# KiCad board fmc_memory_adapter.kicad_pcb (continued)
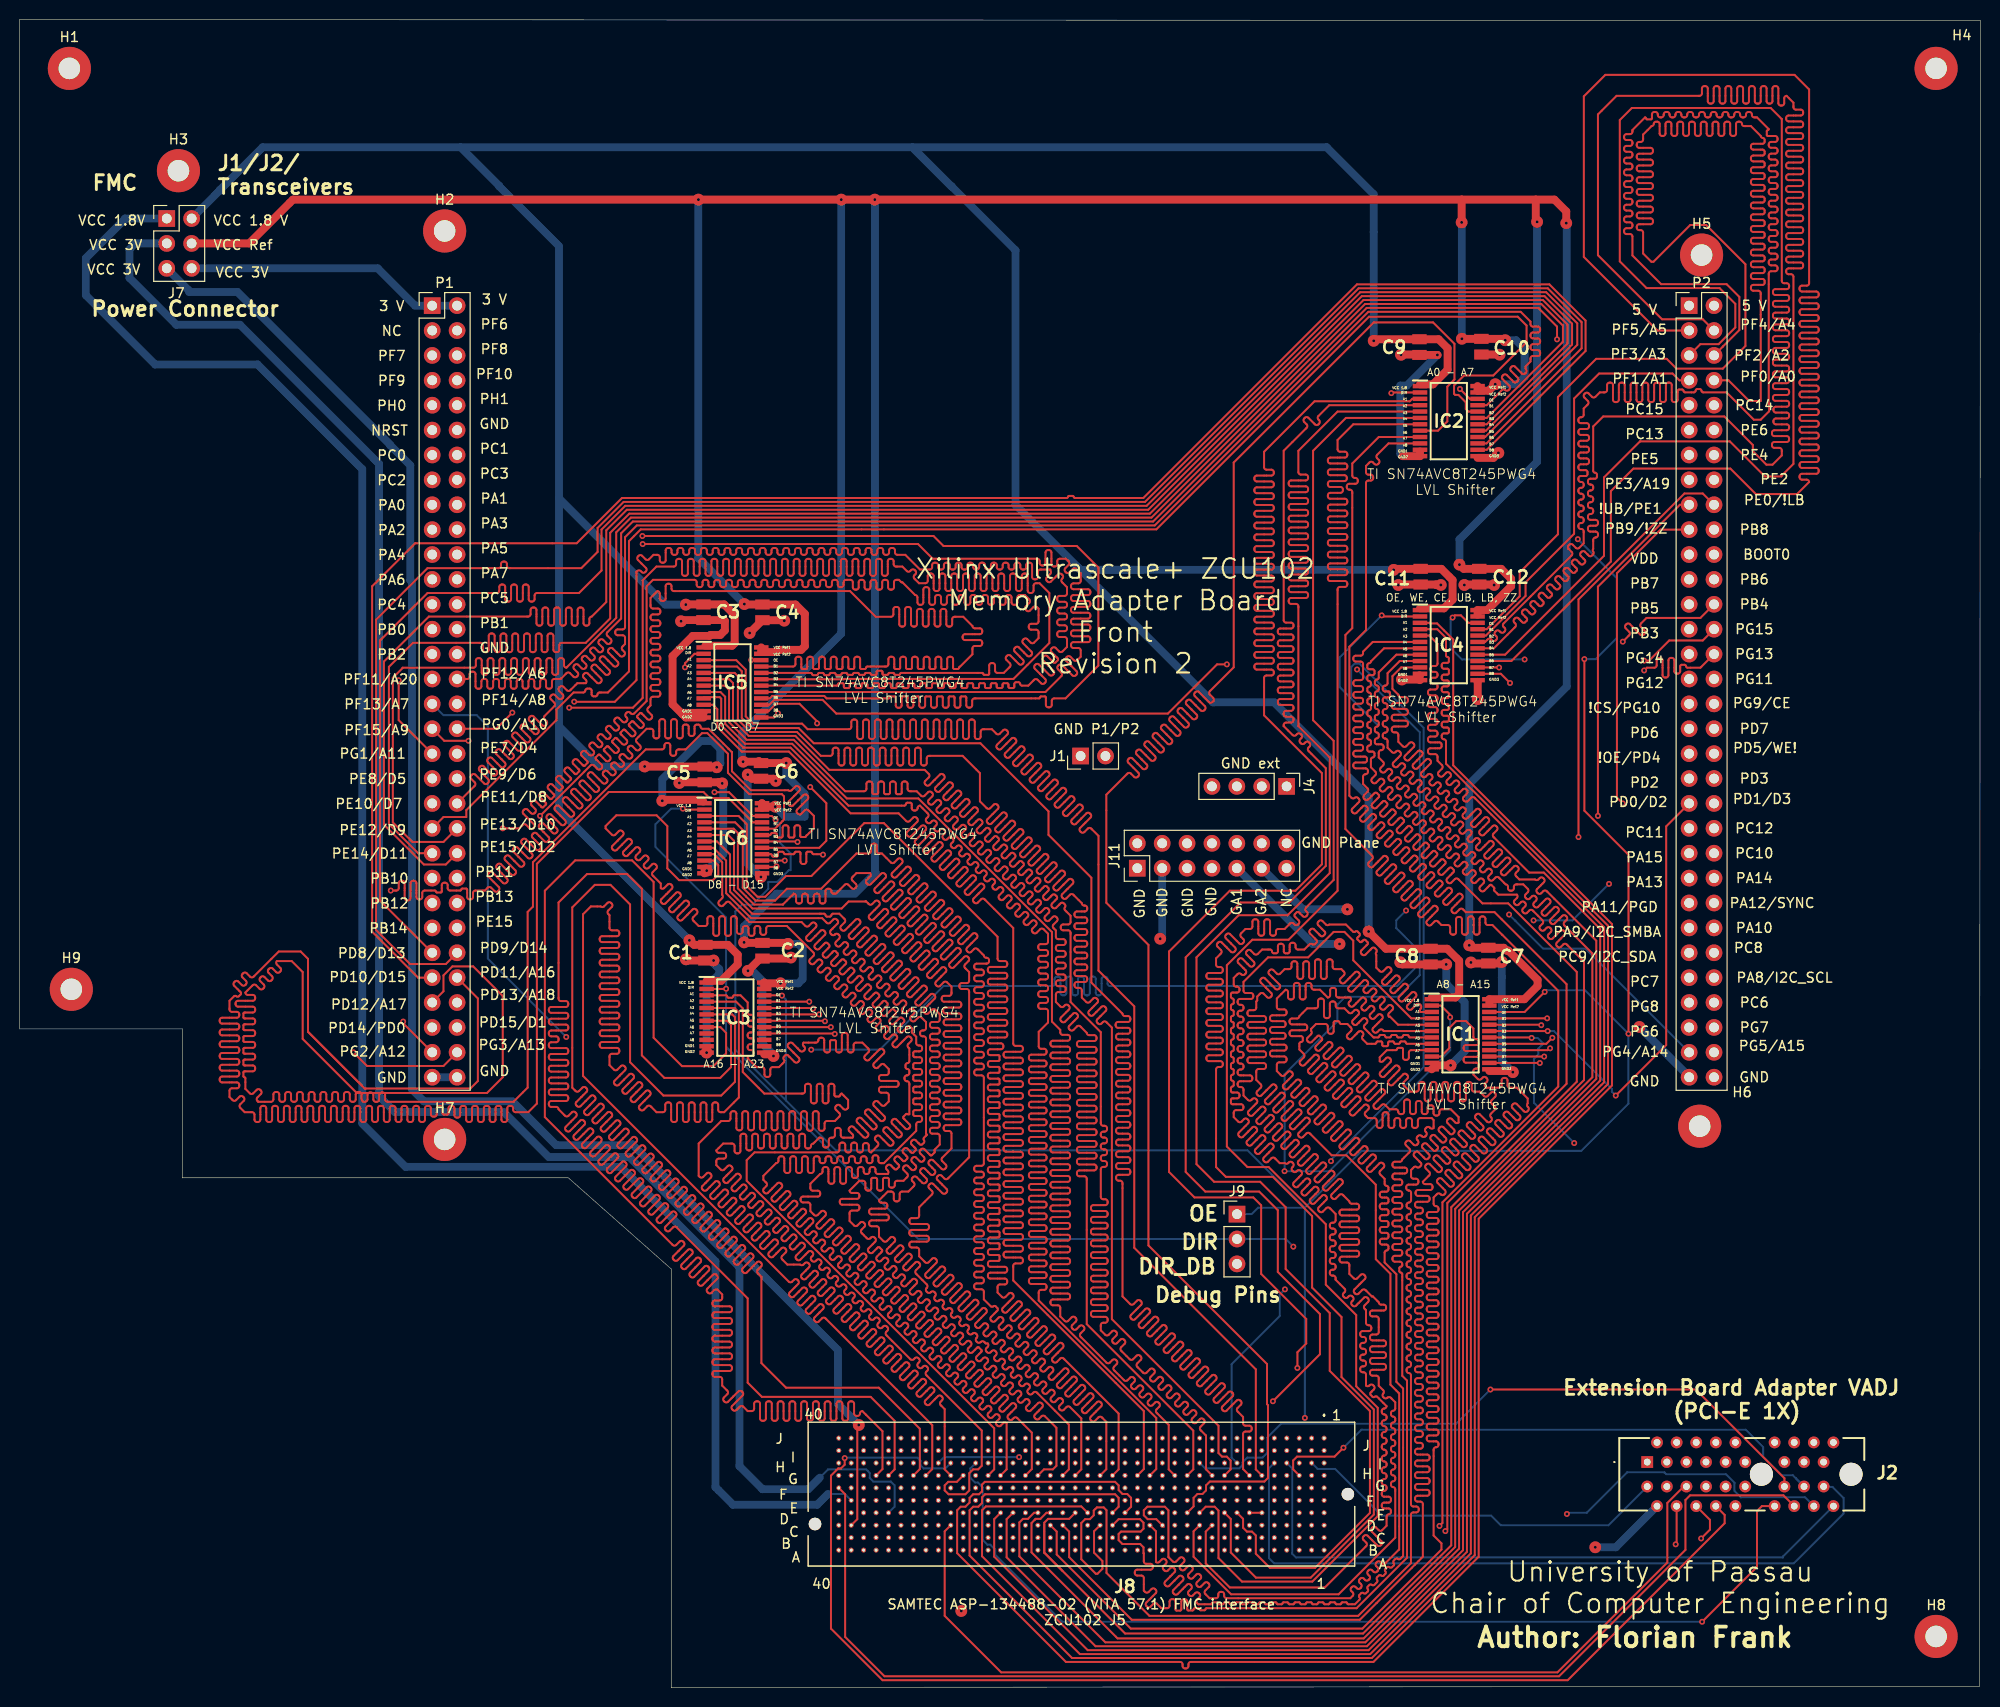
[diagram p0: board, top side]
## Routing (per net, layer and track width the routed paths; a pad name or vN(x,y) marks a point on that pad's centre or on a via; arc(x,y) is an arc through that point) (continued)
Net-(IC1-A5): length 200
  Top w0.2: J8.C18 112.16,17.17 114.33,17.17 114.7,16.81 114.7,16.2 114.4,15.9 112.4,15.9 112.16,15.66 112.16,15.02 112.55,14.63 114.36,14.63 114.7,14.29 114.7,13.7 114.73,13.67 114.73,12.85 arc(114.8,12.68) 114.97,12.61 115.41,12.61 arc(115.58,12.54) 115.65,12.37 115.65,12.25 arc(115.58,12.08) 115.41,12.01 114.05,12.01 arc(113.88,11.94) 113.81,11.77 113.81,11.65 arc(113.88,11.48) 114.05,11.41 114.49,11.41 arc(114.66,11.34) 114.73,11.17 114.73,9.87 114.87,9.73 arc(115.04,9.66) 115.21,9.73 115.52,10.04 arc(115.69,10.11) 115.86,10.04 115.94,9.96 arc(116.02,9.79) 115.94,9.62 114.98,8.66 arc(114.91,8.49) 114.98,8.32 115.07,8.23 arc(115.24,8.16) 115.41,8.23 115.72,8.54 arc(115.89,8.61) 116.06,8.54 116.52,8.08 117.11,8.08 arc(117.28,8.15) 117.35,8.32 117.35,8.76 arc(117.42,8.93) 117.59,9 117.71,9 arc(117.88,8.93) 117.95,8.76 117.95,7.96 arc(117.99,7.87) 118.08,7.83 118.43,7.83 arc(118.52,7.87) 118.55,7.96 118.55,8.76 arc(118.62,8.93) 118.79,9 118.91,9 arc(119.08,8.93) 119.15,8.76 119.15,7.97 arc(119.19,7.88) 119.27,7.85 119.69,7.85 arc(119.78,7.88) 119.81,7.97 arc(119.85,8.05) 119.93,8.08 120.32,8.08 arc(120.39,8.05) 120.42,7.98 arc(120.45,7.9) 120.53,7.87 120.92,7.87 arc(120.99,7.9) 121.02,7.98 arc(121.05,8.05) 121.13,8.08 136.43,8.08 141.59,13.23 141.59,31.31 141.1,31.8 141.1,42.18 arc(141.06,42.29) 140.95,42.33 arc(140.84,42.38) 140.8,42.48 140.8,42.78 arc(140.84,42.89) 140.95,42.93 arc(141.06,42.98) 141.1,43.08 141.1,43.2 arc(141.03,43.37) 140.86,43.44 140.34,43.44 arc(140.17,43.51) 140.1,43.68 140.1,43.8 arc(140.17,43.97) 140.34,44.04 140.86,44.04 arc(141.03,44.11) 141.1,44.28 141.1,44.4 arc(141.03,44.57) 140.86,44.64 140.34,44.64 arc(140.17,44.71) 140.1,44.88 140.1,45 arc(140.17,45.17) 140.34,45.24 140.86,45.24 arc(141.03,45.31) 141.1,45.48 141.1,45.6 arc(141.03,45.77) 140.86,45.84 140.34,45.84 arc(140.17,45.91) 140.1,46.08 140.1,46.2 arc(140.17,46.37) 140.34,46.44 140.86,46.44 arc(141.03,46.51) 141.1,46.68 141.1,46.8 arc(141.03,46.97) 140.86,47.04 140.34,47.04 arc(140.17,47.11) 140.1,47.28 140.1,47.4 arc(140.17,47.57) 140.34,47.64 140.86,47.64 arc(141.03,47.71) 141.1,47.88 141.1,48 arc(141.03,48.17) 140.86,48.24 140.34,48.24 arc(140.17,48.31) 140.1,48.48 140.1,48.6 arc(140.17,48.77) 140.34,48.84 140.86,48.84 arc(141.03,48.91) 141.1,49.08 141.1,49.2 arc(141.03,49.37) 140.86,49.44 140.34,49.44 arc(140.17,49.51) 140.1,49.68 140.1,49.8 arc(140.17,49.97) 140.34,50.04 140.86,50.04 arc(141.03,50.11) 141.1,50.28 141.1,50.4 arc(141.03,50.57) 140.86,50.64 140.34,50.64 arc(140.17,50.71) 140.1,50.88 140.1,51 arc(140.17,51.17) 140.34,51.24 140.86,51.24 arc(141.03,51.31) 141.1,51.48 141.1,51.6 arc(141.03,51.77) 140.86,51.84 140.34,51.84 arc(140.17,51.91) 140.1,52.08 140.1,52.2 arc(140.17,52.37) 140.34,52.44 141.36,52.44 arc(141.53,52.51) 141.6,52.68 141.6,52.8 arc(141.53,52.97) 141.36,53.04 140.34,53.04 arc(140.17,53.11) 140.1,53.28 140.1,53.4 arc(140.17,53.57) 140.34,53.64 140.86,53.64 arc(141.03,53.71) 141.1,53.88 141.84,54.62 arc(141.91,54.79) 141.84,54.96 141.47,55.33 arc(141.4,55.5) 141.47,55.67 141.56,55.76 arc(141.73,55.83) 141.9,55.76 142.26,55.39 arc(142.43,55.32) 142.6,55.39 142.69,55.47 arc(142.76,55.64) 142.69,55.81 142.64,55.86 arc(142.57,56.03) 142.64,56.2 142.72,56.29 arc(142.89,56.36) 143.06,56.29 143.11,56.24 arc(143.28,56.17) 143.45,56.24 143.54,56.32 arc(143.61,56.49) 143.54,56.66 143.49,56.71 arc(143.42,56.88) 143.49,57.05 143.57,57.13 arc(143.74,57.2) 143.91,57.13 143.96,57.08 arc(144.13,57.01) 144.3,57.08 144.3,57.9 144.1,58.1 142.93,58.1 arc(142.76,58.03) 142.69,57.86 142.69,57.34 arc(142.62,57.17) 142.45,57.1 142.33,57.1 arc(142.16,57.17) 142.09,57.34 142.09,57.86 arc(142.02,58.03) 141.85,58.1 141.73,58.1 arc(141.56,58.03) 141.49,57.86 141.49,57.34 arc(141.42,57.17) 141.25,57.1 141.13,57.1 arc(140.96,57.17) 140.89,57.34 140.89,57.86 arc(140.82,58.03) 140.65,58.1 140.53,58.1 arc(140.36,58.03) 140.29,57.86 140.29,57.34 arc(140.22,57.17) 140.05,57.1 139.93,57.1 arc(139.76,57.17) 139.69,57.34 139.69,58.46 arc(139.62,58.63) 139.45,58.7 139.33,58.7 arc(139.16,58.63) 139.09,58.46 139.09,57.34 arc(139.02,57.17) 138.85,57.1 138.73,57.1 arc(138.56,57.17) 138.49,57.34 138.49,57.86 arc(138.42,58.03) 138.25,58.1 137.6,58.1 137.34,58.36 arc(137.27,58.53) 137.34,58.7 137.64,59 arc(137.71,59.17) 137.64,59.34 137.55,59.42 arc(137.38,59.49) 137.21,59.42 136.21,58.42 arc(136.04,58.35) 135.87,58.42 135.78,58.5 arc(135.71,58.67) 135.78,58.84 136.79,59.85 arc(136.86,60.02) 136.79,60.19 136.7,60.27 arc(136.53,60.34) 136.36,60.27 135.36,59.27 arc(135.19,59.2) 135.02,59.27 134.93,59.35 arc(134.86,59.52) 134.93,59.69 135.94,60.69 arc(136.01,60.86) 135.94,61.03 135.85,61.12 arc(135.68,61.19) 135.51,61.12 134.51,60.11 arc(134.34,60.04) 134.17,60.11 134.09,60.2 arc(134.02,60.37) 134.09,60.54 135.09,61.54 arc(135.16,61.71) 135.09,61.88 135.01,61.97 arc(134.84,62.04) 134.67,61.97 133.66,60.96 arc(133.49,60.89) 133.32,60.96 133.24,61.05 arc(133.17,61.22) 133.24,61.39 134.24,62.39 arc(134.31,62.56) 134.24,62.73 134.16,62.82 arc(133.99,62.89) 133.82,62.82 132.81,61.81 arc(132.64,61.74) 132.47,61.81 132.39,61.9 arc(132.32,62.07) 132.39,62.24 133.39,63.24 arc(133.46,63.41) 133.39,63.58 133.31,63.66 arc(133.14,63.73) 132.97,63.66 131.96,62.66 arc(131.8,62.59) 131.63,62.66 131.54,62.75 arc(131.47,62.92) 131.54,63.08 132.54,64.09 arc(132.61,64.26) 132.54,64.43 132.46,64.51 arc(132.29,64.58) 132.12,64.51 131.12,63.51 arc(130.95,63.44) 130.78,63.51 130.69,63.59 arc(130.62,63.76) 130.69,63.93 131.06,64.3 arc(131.13,64.47) 131.06,64.64 130.6,65.1 130.6,65.69 arc(130.65,65.81) 130.78,65.86 arc(130.9,65.91) 130.95,66.03 130.95,66.28 arc(130.9,66.41) 130.78,66.46 129.84,66.46 arc(129.67,66.53) 129.6,66.7 129.6,66.82 arc(129.67,66.99) 129.84,67.06 131.16,67.06 arc(131.33,67.13) 131.4,67.3 131.4,67.42 arc(131.33,67.59) 131.16,67.66 129.84,67.66 arc(129.67,67.73) 129.6,67.9 129.6,68.02 arc(129.67,68.19) 129.84,68.26 130.36,68.26 arc(130.53,68.33) 130.6,68.5 131.4,69.3 132.27,69.3 arc(132.44,69.37) 132.51,69.54 132.51,70.06 arc(132.58,70.23) 132.75,70.3 132.87,70.3 arc(133.04,70.23) 133.11,70.06 133.11,68.54 arc(133.18,68.37) 133.35,68.3 133.47,68.3 arc(133.64,68.37) 133.71,68.54 133.71,69.76 arc(133.78,69.93) 133.95,70 134.07,70 arc(134.24,69.93) 134.31,69.76 134.31,69.54 arc(134.38,69.37) 134.55,69.3 135.2,69.3 135.64,68.86 arc(135.81,68.79) 135.98,68.86 136.2,69.09 arc(136.37,69.16) 136.54,69.09 136.63,69 arc(136.7,68.83) 136.63,68.66 136.05,68.08 arc(135.98,67.91) 136.05,67.74 136.13,67.66 arc(136.3,67.59) 136.47,67.66 137.05,68.24 arc(137.22,68.31) 137.39,68.24 137.48,68.15 arc(137.55,67.98) 137.48,67.81 137.25,67.59 arc(137.18,67.42) 137.25,67.25 138.17,66.33 138.63,66.33 arc(138.72,66.37) 138.76,66.45 arc(138.79,66.54) 138.88,66.58 139.23,66.58 arc(139.32,66.54) 139.36,66.45 arc(139.39,66.37) 139.48,66.33 139.83,66.33 arc(139.92,66.37) 139.96,66.45 arc(139.99,66.54) 140.08,66.58 140.43,66.58 arc(140.52,66.54) 140.56,66.45 arc(140.59,66.37) 140.68,66.33 141.03,66.33 arc(141.12,66.37) 141.16,66.45 arc(141.19,66.54) 141.28,66.58 141.63,66.58 arc(141.72,66.54) 141.76,66.45 arc(141.79,66.37) 141.88,66.33 IC1.7
Net-(IC1-A6): length 199.9
  Top w0.2: J8.C19 109.65,15.93 109.65,13.75 110.5,12.9 110.5,12.1 110,11.6 109.82,11.6 108.35,13.08 108.35,16.78 108.74,17.17 109.22,17.17 109.62,17.56 109.62,18.05 109.94,18.37 110.63,18.37 110.92,18.08 110.92,11.68 115.3,7.3 136.6,7.3 141.99,12.69 141.99,17.62 arc(142.06,17.79) 142.23,17.86 142.54,17.86 arc(142.71,17.93) 142.78,18.1 142.78,18.22 arc(142.71,18.39) 142.54,18.46 142.23,18.46 arc(142.06,18.53) 141.99,18.7 141.99,31.86 arc(141.92,32.01) 141.76,32.08 arc(141.61,32.14) 141.54,32.3 141.54,32.46 arc(141.61,32.61) 141.76,32.68 arc(141.92,32.74) 141.99,32.9 141.99,33.06 arc(141.92,33.21) 141.76,33.28 arc(141.61,33.34) 141.54,33.5 141.54,33.66 arc(141.61,33.81) 141.76,33.88 arc(141.92,33.94) 141.99,34.1 141.99,34.26 arc(141.92,34.41) 141.77,34.48 arc(141.61,34.54) 141.54,34.7 141.54,34.86 arc(141.61,35.01) 141.77,35.08 arc(141.92,35.14) 141.99,35.3 141.99,35.46 arc(141.92,35.61) 141.76,35.68 arc(141.61,35.74) 141.54,35.9 141.54,36.06 arc(141.61,36.21) 141.76,36.28 arc(141.92,36.34) 141.99,36.5 141.99,36.66 arc(141.92,36.81) 141.76,36.88 arc(141.61,36.94) 141.54,37.1 141.54,37.26 arc(141.61,37.41) 141.76,37.48 arc(141.92,37.54) 141.99,37.7 141.99,37.86 arc(141.92,38.01) 141.76,38.08 arc(141.61,38.14) 141.54,38.3 141.54,38.46 arc(141.61,38.61) 141.76,38.68 arc(141.92,38.74) 141.99,38.9 141.99,39.06 arc(141.92,39.21) 141.76,39.28 arc(141.61,39.34) 141.54,39.5 141.54,39.66 arc(141.61,39.81) 141.76,39.88 arc(141.92,39.94) 141.99,40.1 141.99,40.26 arc(141.92,40.41) 141.76,40.48 arc(141.61,40.54) 141.54,40.7 141.54,40.86 arc(141.61,41.01) 141.76,41.08 arc(141.92,41.14) 141.99,41.3 141.99,41.46 arc(141.92,41.61) 141.77,41.68 arc(141.61,41.74) 141.54,41.9 141.54,42.06 arc(141.61,42.21) 141.77,42.28 arc(141.92,42.34) 141.99,42.5 141.99,42.66 arc(141.92,42.81) 141.76,42.88 arc(141.61,42.94) 141.54,43.1 141.54,43.26 arc(141.61,43.41) 141.76,43.48 arc(141.92,43.54) 141.99,43.7 141.99,43.86 arc(141.92,44.01) 141.76,44.08 arc(141.61,44.14) 141.54,44.3 141.54,44.46 arc(141.61,44.61) 141.76,44.68 arc(141.92,44.74) 141.99,44.9 141.99,45.06 arc(141.92,45.21) 141.76,45.28 arc(141.61,45.34) 141.54,45.5 141.54,45.66 arc(141.61,45.81) 141.76,45.88 arc(141.92,45.94) 141.99,46.1 141.99,46.26 arc(141.92,46.41) 141.76,46.48 arc(141.61,46.54) 141.54,46.7 141.54,46.86 arc(141.61,47.01) 141.76,47.08 arc(141.92,47.14) 141.99,47.3 141.99,47.46 arc(141.92,47.61) 141.76,47.68 arc(141.61,47.74) 141.54,47.9 141.54,48.06 arc(141.61,48.21) 141.76,48.28 arc(141.92,48.34) 141.99,48.5 141.99,48.66 arc(141.92,48.81) 141.77,48.88 arc(141.61,48.94) 141.54,49.1 141.54,49.26 arc(141.61,49.41) 141.77,49.48 arc(141.92,49.54) 141.99,49.7 142,49.72 142,50.47 arc(141.93,50.64) 141.76,50.71 141.75,50.71 arc(141.58,50.78) 141.51,50.95 141.51,51.07 arc(141.58,51.24) 141.75,51.31 142.51,51.31 arc(142.68,51.38) 142.75,51.55 142.75,51.67 arc(142.68,51.84) 142.51,51.91 142.24,51.91 arc(142.07,51.98) 142,52.15 142,52.8 142.3,53.1 arc(142.44,53.16) 142.58,53.1 arc(142.72,53.04) 142.85,53.1 143,53.25 arc(143.06,53.38) 143,53.52 142.33,54.2 arc(142.26,54.37) 142.33,54.54 142.41,54.62 arc(142.58,54.69) 142.75,54.62 143.43,53.95 arc(143.56,53.89) 143.7,53.95 143.85,54.09 arc(143.91,54.23) 143.85,54.37 143.18,55.04 arc(143.11,55.21) 143.18,55.38 143.26,55.47 arc(143.43,55.54) 143.6,55.47 144.27,54.8 arc(144.41,54.74) 144.55,54.8 144.7,54.94 arc(144.76,55.08) 144.7,55.22 144.02,55.89 arc(143.95,56.06) 144.02,56.23 144.11,56.32 arc(144.28,56.39) 144.45,56.32 145.12,55.64 arc(145.26,55.59) 145.4,55.64 145.55,55.79 arc(145.6,55.93) 145.55,56.07 144.87,56.74 arc(144.8,56.91) 144.87,57.08 144.96,57.17 arc(145.13,57.24) 145.3,57.17 145.97,56.49 arc(146.11,56.43) 146.25,56.49 146.4,56.64 arc(146.45,56.78) 146.4,56.92 145.72,57.59 arc(145.65,57.76) 145.72,57.93 145.81,58.01 arc(145.98,58.08) 146.15,58.01 146.51,57.65 arc(146.68,57.58) 146.85,57.65 146.85,58.2 146.05,59 145.13,59 arc(144.96,58.93) 144.89,58.76 144.89,58.59 arc(144.82,58.43) 144.65,58.35 144.53,58.35 arc(144.36,58.43) 144.29,58.59 144.29,59.2 arc(144.23,59.34) 144.09,59.39 143.89,59.39 arc(143.75,59.34) 143.69,59.2 143.69,58.74 arc(143.62,58.58) 143.45,58.5 143.33,58.5 arc(143.16,58.58) 143.09,58.74 143.09,59.61 arc(143.02,59.77) 142.85,59.85 142.73,59.85 arc(142.56,59.77) 142.49,59.61 142.49,58.74 arc(142.42,58.58) 142.25,58.5 142.13,58.5 arc(141.96,58.58) 141.89,58.74 141.89,59.76 arc(141.82,59.92) 141.65,60 141.53,60 arc(141.36,59.92) 141.29,59.76 141.29,58.74 arc(141.22,58.58) 141.05,58.5 140.93,58.5 arc(140.76,58.58) 140.69,58.74 140.69,58.76 arc(140.62,58.93) 140.45,59 139.8,59 139.35,59.45 arc(139.18,59.52) 139.01,59.45 138.65,59.08 arc(138.48,59.01) 138.31,59.08 138.22,59.17 arc(138.15,59.34) 138.22,59.51 139.29,60.58 arc(139.36,60.75) 139.29,60.92 139.21,61 arc(139.04,61.07) 138.87,61 137.8,59.93 arc(137.63,59.86) 137.46,59.93 137.38,60.02 arc(137.31,60.19) 137.38,60.36 138.44,61.42 arc(138.51,61.59) 138.44,61.76 138.36,61.85 arc(138.19,61.92) 138.02,61.85 136.95,60.78 arc(136.78,60.71) 136.61,60.78 136.53,60.87 arc(136.46,61.04) 136.53,61.21 137.59,62.27 arc(137.67,62.44) 137.59,62.61 137.51,62.7 arc(137.34,62.77) 137.17,62.7 136.1,61.63 arc(135.93,61.56) 135.76,61.63 135.68,61.71 arc(135.61,61.88) 135.68,62.05 136.75,63.12 arc(136.82,63.29) 136.75,63.46 136.66,63.55 arc(136.49,63.62) 136.32,63.55 135.25,62.48 arc(135.08,62.41) 134.91,62.48 134.83,62.56 arc(134.76,62.73) 134.83,62.9 135.9,63.97 arc(135.97,64.14) 135.9,64.31 135.81,64.39 arc(135.64,64.46) 135.47,64.39 134.41,63.33 arc(134.24,63.26) 134.07,63.33 133.98,63.41 arc(133.91,63.58) 133.98,63.75 135.05,64.82 arc(135.12,64.99) 135.05,65.16 134.96,65.24 arc(134.79,65.31) 134.63,65.24 133.56,64.17 arc(133.39,64.1) 133.22,64.17 133.13,64.26 arc(133.06,64.43) 133.13,64.6 133.92,65.38 arc(133.99,65.55) 133.92,65.72 133.83,65.81 arc(133.66,65.88) 133.49,65.81 132.71,65.02 arc(132.54,64.95) 132.37,65.02 132.28,65.11 arc(132.21,65.28) 132.28,65.45 132.9,66.07 arc(132.94,66.15) 132.9,66.24 132.65,66.49 arc(132.57,66.53) 132.48,66.49 131.86,65.87 arc(131.69,65.8) 131.52,65.87 131.44,65.96 arc(131.37,66.13) 131.44,66.3 131.8,66.66 arc(131.87,66.83) 131.8,67 131.8,67.2 132.3,67.7 133.26,67.7 arc(133.43,67.63) 133.5,67.46 133.5,66.94 arc(133.57,66.78) 133.74,66.7 133.86,66.7 arc(134.03,66.78) 134.1,66.94 134.1,67.85 arc(134.14,67.95) 134.25,67.99 134.56,67.99 arc(134.66,67.95) 134.7,67.85 arc(134.75,67.74) 134.85,67.7 135.5,67.7 135.87,67.33 arc(135.94,67.16) 135.87,66.99 135.51,66.62 arc(135.44,66.45) 135.51,66.28 135.59,66.2 arc(135.76,66.13) 135.93,66.2 136.65,66.91 arc(136.82,66.98) 136.99,66.91 137.07,66.83 arc(137.14,66.66) 137.07,66.49 137.06,66.48 arc(136.99,66.31) 137.06,66.14 137.52,65.68 138.34,65.68 arc(138.42,65.72) 138.46,65.8 arc(138.5,65.89) 138.58,65.92 138.94,65.92 arc(139.02,65.89) 139.06,65.8 139.06,65.56 arc(139.1,65.47) 139.18,65.44 139.54,65.44 arc(139.62,65.47) 139.66,65.56 139.66,65.8 arc(139.7,65.89) 139.78,65.92 140.14,65.92 arc(140.23,65.89) 140.26,65.8 arc(140.3,65.72) 140.39,65.68 140.74,65.68 arc(140.83,65.71) 140.86,65.8 arc(140.9,65.89) 140.99,65.92 141.34,65.92 arc(141.43,65.89) 141.46,65.8 arc(141.5,65.71) 141.59,65.68 IC1.8
Net-(IC1-A7): length 200
  Top w0.2: J8.C22 107.11,15.9 107.11,13.29 113.5,6.9 136.77,6.9 142.08,12.22 143.2,13.33 143.2,18.72 arc(143.13,18.89) 142.96,18.96 142.65,18.96 arc(142.48,19.03) 142.41,19.2 142.41,19.32 arc(142.48,19.49) 142.65,19.56 143.65,19.56 arc(143.82,19.63) 143.89,19.8 143.89,19.92 arc(143.82,20.09) 143.65,20.16 142.65,20.16 arc(142.48,20.23) 142.41,20.4 142.41,20.52 arc(142.48,20.69) 142.65,20.76 143.65,20.76 arc(143.82,20.83) 143.89,21 143.89,21.12 arc(143.82,21.29) 143.65,21.36 142.65,21.36 arc(142.48,21.43) 142.41,21.6 142.41,21.72 arc(142.48,21.89) 142.65,21.96 143.65,21.96 arc(143.82,22.03) 143.89,22.2 143.89,22.32 arc(143.82,22.49) 143.65,22.56 142.65,22.56 arc(142.48,22.63) 142.41,22.8 142.41,22.92 arc(142.48,23.09) 142.65,23.16 143.65,23.16 arc(143.82,23.23) 143.89,23.4 143.89,23.52 arc(143.82,23.69) 143.65,23.76 142.65,23.76 arc(142.48,23.83) 142.41,24 142.41,24.12 arc(142.48,24.29) 142.65,24.36 142.96,24.36 arc(143.13,24.43) 143.2,24.6 143.2,24.72 arc(143.13,24.89) 142.96,24.96 142.65,24.96 arc(142.48,25.03) 142.41,25.2 142.41,25.32 arc(142.48,25.49) 142.65,25.56 142.96,25.56 arc(143.13,25.63) 143.2,25.8 143.2,25.92 arc(143.13,26.09) 142.96,26.16 142.65,26.16 arc(142.48,26.23) 142.41,26.4 142.41,26.52 arc(142.48,26.69) 142.65,26.76 142.96,26.76 arc(143.13,26.83) 143.2,27 143.2,27.12 arc(143.13,27.29) 142.96,27.36 142.65,27.36 arc(142.48,27.43) 142.41,27.6 142.41,27.72 arc(142.48,27.89) 142.65,27.96 142.96,27.96 arc(143.13,28.03) 143.2,28.2 143.2,28.32 arc(143.13,28.49) 142.96,28.56 142.65,28.56 arc(142.48,28.63) 142.41,28.8 142.41,28.92 arc(142.48,29.09) 142.65,29.16 142.96,29.16 arc(143.13,29.23) 143.2,29.4 143.2,29.52 arc(143.13,29.69) 142.96,29.76 142.65,29.76 arc(142.48,29.83) 142.41,30 142.41,30.12 arc(142.48,30.29) 142.65,30.36 142.96,30.36 arc(143.13,30.43) 143.2,30.6 143.2,30.72 arc(143.13,30.89) 142.96,30.96 142.65,30.96 arc(142.48,31.03) 142.41,31.2 142.41,31.32 arc(142.48,31.49) 142.65,31.56 142.96,31.56 arc(143.13,31.63) 143.2,31.8 143.2,31.92 arc(143.13,32.09) 142.96,32.16 142.65,32.16 arc(142.48,32.23) 142.41,32.4 142.41,32.52 arc(142.48,32.69) 142.65,32.76 142.96,32.76 arc(143.13,32.83) 143.2,33 143.2,33.12 arc(143.13,33.29) 142.96,33.36 142.65,33.36 arc(142.48,33.43) 142.41,33.6 142.41,33.72 arc(142.48,33.89) 142.65,33.96 142.96,33.96 arc(143.13,34.03) 143.2,34.2 143.2,34.32 arc(143.13,34.49) 142.96,34.56 142.65,34.56 arc(142.48,34.63) 142.41,34.8 142.41,34.92 arc(142.48,35.09) 142.65,35.16 142.96,35.16 arc(143.13,35.23) 143.2,35.4 143.2,35.52 arc(143.13,35.69) 142.96,35.76 142.65,35.76 arc(142.48,35.83) 142.41,36 142.41,36.12 arc(142.48,36.29) 142.65,36.36 142.96,36.36 arc(143.13,36.43) 143.2,36.6 143.2,36.72 arc(143.13,36.89) 142.96,36.96 142.65,36.96 arc(142.48,37.03) 142.41,37.2 142.41,37.32 arc(142.48,37.49) 142.65,37.56 142.96,37.56 arc(143.13,37.63) 143.2,37.8 143.2,37.92 arc(143.13,38.09) 142.96,38.16 142.65,38.16 arc(142.48,38.23) 142.41,38.4 142.41,38.52 arc(142.48,38.69) 142.65,38.76 142.96,38.76 arc(143.13,38.83) 143.2,39 143.2,39.12 arc(143.13,39.29) 142.96,39.36 142.65,39.36 arc(142.48,39.43) 142.41,39.6 142.41,39.72 arc(142.48,39.89) 142.65,39.96 142.96,39.96 arc(143.13,40.03) 143.2,40.2 143.2,40.32 arc(143.13,40.49) 142.96,40.56 142.65,40.56 arc(142.48,40.63) 142.41,40.8 142.41,40.92 arc(142.48,41.09) 142.65,41.16 142.96,41.16 arc(143.13,41.23) 143.2,41.4 143.2,41.52 arc(143.13,41.69) 142.96,41.76 142.65,41.76 arc(142.48,41.83) 142.41,42 142.41,42.12 arc(142.48,42.29) 142.65,42.36 142.96,42.36 arc(143.13,42.43) 143.2,42.6 143.2,42.72 arc(143.13,42.89) 142.96,42.96 142.65,42.96 arc(142.48,43.03) 142.41,43.2 142.41,43.32 arc(142.48,43.49) 142.65,43.56 142.96,43.56 arc(143.13,43.63) 143.2,43.8 143.2,43.92 arc(143.13,44.09) 142.96,44.16 142.65,44.16 arc(142.48,44.23) 142.41,44.4 142.41,44.52 arc(142.48,44.69) 142.65,44.76 142.96,44.76 arc(143.13,44.83) 143.2,45 143.2,45.12 arc(143.13,45.29) 142.96,45.36 142.65,45.36 arc(142.48,45.43) 142.41,45.6 142.41,45.72 arc(142.48,45.89) 142.65,45.96 142.96,45.96 arc(143.13,46.03) 143.2,46.2 143.2,46.32 arc(143.13,46.49) 142.96,46.56 142.65,46.56 arc(142.48,46.63) 142.41,46.8 142.41,46.92 arc(142.48,47.09) 142.65,47.16 142.96,47.16 arc(143.13,47.23) 143.2,47.4 143.2,47.52 arc(143.13,47.69) 142.96,47.76 142.65,47.76 arc(142.48,47.83) 142.41,48 142.41,48.12 arc(142.48,48.29) 142.65,48.36 142.96,48.36 arc(143.13,48.43) 143.2,48.6 143.2,48.72 arc(143.13,48.89) 142.96,48.96 142.65,48.96 arc(142.48,49.03) 142.41,49.2 142.41,49.32 arc(142.48,49.49) 142.65,49.56 143.65,49.56 arc(143.82,49.63) 143.89,49.8 143.89,49.92 arc(143.82,50.09) 143.65,50.16 142.7,50.16 arc(142.53,50.23) 142.46,50.4 142.46,50.52 arc(142.53,50.69) 142.7,50.76 143.95,50.76 arc(144.12,50.83) 144.19,51 144.19,51.12 arc(144.12,51.29) 143.95,51.36 143.44,51.36 arc(143.27,51.43) 143.2,51.6 143.86,52.26 arc(143.93,52.43) 143.86,52.6 143.5,52.96 arc(143.43,53.13) 143.5,53.3 143.59,53.39 arc(143.75,53.46) 143.92,53.39 144.67,52.64 arc(144.84,52.57) 145.01,52.64 145.09,52.73 arc(145.16,52.9) 145.09,53.07 144.35,53.81 arc(144.28,53.98) 144.35,54.15 144.43,54.23 arc(144.6,54.3) 144.77,54.23 145.52,53.49 arc(145.69,53.42) 145.86,53.49 145.94,53.58 arc(146.01,53.75) 145.94,53.92 145.2,54.66 arc(145.13,54.83) 145.2,55 145.28,55.08 arc(145.45,55.15) 145.62,55.08 146.36,54.34 arc(146.53,54.27) 146.7,54.34 146.79,54.42 arc(146.86,54.59) 146.79,54.76 146.05,55.51 arc(145.98,55.68) 146.05,55.85 146.13,55.93 arc(146.3,56) 146.47,55.93 147.21,55.19 arc(147.38,55.12) 147.55,55.19 147.64,55.27 arc(147.71,55.44) 147.64,55.61 146.89,56.36 arc(146.82,56.53) 146.89,56.7 146.98,56.78 arc(147.15,56.85) 147.32,56.78 148.06,56.04 arc(148.23,55.97) 148.4,56.04 148.49,56.12 arc(148.56,56.29) 148.49,56.46 147.74,57.2 arc(147.67,57.37) 147.74,57.54 147.83,57.63 arc(148,57.7) 148.17,57.63 148.91,56.89 arc(149.08,56.82) 149.25,56.89 149.33,56.97 arc(149.4,57.14) 149.33,57.31 148.59,58.05 arc(148.52,58.22) 148.59,58.39 148.68,58.48 arc(148.85,58.55) 149.02,58.48 149.76,57.73 arc(149.93,57.66) 150.1,57.73 150.18,57.82 arc(150.25,57.99) 150.18,58.16 150.14,58.2 arc(150.07,58.37) 150.14,58.54 150.6,59 150.6,59.2 150.22,59.58 arc(150.15,59.75) 150.22,59.92 150.58,60.28 arc(150.65,60.45) 150.58,60.62 150.5,60.7 arc(150.33,60.77) 150.16,60.7 149.8,60.34 arc(149.63,60.27) 149.46,60.34 149,60.8 148.43,60.8 arc(148.26,60.87) 148.19,61.04 148.19,61.55 arc(148.12,61.72) 147.95,61.79 147.83,61.79 arc(147.66,61.72) 147.59,61.55 147.59,60.05 arc(147.52,59.88) 147.35,59.81 147.23,59.81 arc(147.06,59.88) 146.99,60.05 146.99,61.55 arc(146.92,61.72) 146.75,61.79 146.63,61.79 arc(146.46,61.72) 146.39,61.55 146.39,60.05 arc(146.32,59.88) 146.15,59.81 146.03,59.81 arc(145.86,59.88) 145.79,60.05 145.79,61.55 arc(145.72,61.72) 145.55,61.79 145.43,61.79 arc(145.26,61.72) 145.19,61.55 145.19,60.05 arc(145.12,59.88) 144.95,59.81 144.83,59.81 arc(144.66,59.88) 144.59,60.05 144.59,61.55 arc(144.52,61.72) 144.35,61.79 144.23,61.79 arc(144.06,61.72) 143.99,61.55 143.99,60.05 arc(143.92,59.88) 143.75,59.81 143.63,59.81 arc(143.46,59.88) 143.39,60.05 143.39,61.55 arc(143.32,61.72) 143.15,61.79 143.03,61.79 arc(142.86,61.72) 142.79,61.55 142.79,61.04 arc(142.72,60.87) 142.55,60.8 141.9,60.8 141.26,61.44 arc(141.19,61.61) 141.26,61.78 141.62,62.14 arc(141.69,62.31) 141.62,62.48 141.54,62.56 arc(141.37,62.63) 141.2,62.56 140.14,61.5 arc(139.97,61.43) 139.8,61.5 139.71,61.59 arc(139.64,61.76) 139.71,61.93 140.77,62.99 arc(140.84,63.16) 140.77,63.33 140.69,63.41 arc(140.52,63.48) 140.35,63.41 139.29,62.35 arc(139.12,62.28) 138.95,62.35 138.86,62.44 arc(138.79,62.61) 138.86,62.78 139.89,63.8 arc(139.96,63.97) 139.89,64.14 139.8,64.23 arc(139.63,64.3) 139.46,64.23 139.14,63.9 arc(138.97,63.83) 138.8,63.9 138.8,64.3 139.53,65.03 140.46,65.03 arc(140.54,65.06) 140.57,65.15 arc(140.61,65.23) 140.69,65.27 141.06,65.27 arc(141.14,65.23) 141.17,65.15 141.17,64.28 arc(141.24,64.11) 141.41,64.04 141.53,64.04 arc(141.7,64.11) 141.77,64.28 141.77,64.79 arc(141.84,64.96) 142.01,65.03 IC1.9
Net-(IC1-A8): length 194.4
  Top w0.2: IC1.10 145.05,64.38 145.9,65.23 145.9,67.3 146.6,68 147.6,68 148.36,67.24 148.36,66.39 arc(148.43,66.22) 148.6,66.15 148.67,66.15 arc(148.84,66.08) 148.91,65.91 148.91,65.79 arc(148.84,65.62) 148.67,65.55 147.6,65.55 arc(147.43,65.48) 147.36,65.31 147.36,65.19 arc(147.43,65.02) 147.6,64.95 148.67,64.95 arc(148.84,64.88) 148.91,64.71 148.91,64.59 arc(148.84,64.42) 148.67,64.35 147.6,64.35 arc(147.43,64.28) 147.36,64.11 147.36,63.99 arc(147.43,63.82) 147.6,63.75 148.67,63.75 arc(148.84,63.68) 148.91,63.51 148.91,63.39 arc(148.84,63.22) 148.67,63.15 148.6,63.15 arc(148.43,63.08) 148.36,62.91 148.36,62.54 148.82,62.08 arc(148.99,62.01) 149.16,62.08 149.31,62.24 arc(149.48,62.31) 149.65,62.24 149.74,62.15 arc(149.81,61.98) 149.74,61.81 149.58,61.66 arc(149.51,61.49) 149.58,61.32 149.7,61.2 151,61.2 arc(151.17,61.27) 151.24,61.44 151.24,61.96 arc(151.31,62.13) 151.48,62.2 151.6,62.2 arc(151.77,62.13) 151.84,61.96 151.84,61.44 arc(151.91,61.27) 152.08,61.2 152.8,61.2 153.9,60.1 153.9,59.6 arc(153.83,59.43) 153.9,59.26 153.95,59.21 arc(154.02,59.04) 153.95,58.87 153.86,58.79 arc(153.69,58.72) 153.53,58.79 152.77,59.54 arc(152.6,59.61) 152.43,59.54 152.34,59.46 arc(152.27,59.29) 152.34,59.12 153.1,58.36 arc(153.17,58.19) 153.1,58.02 153.02,57.94 arc(152.85,57.87) 152.68,57.94 151.92,58.69 arc(151.75,58.77) 151.58,58.69 151.5,58.61 arc(151.43,58.44) 151.5,58.27 152.25,57.51 arc(152.32,57.34) 152.25,57.17 152.17,57.09 arc(152,57.02) 151.83,57.09 151.07,57.85 arc(150.9,57.92) 150.73,57.85 150.65,57.76 arc(150.58,57.59) 150.65,57.42 151.4,56.67 arc(151.47,56.5) 151.4,56.33 151.32,56.24 arc(151.15,56.17) 150.98,56.24 150.22,57 arc(150.05,57.07) 149.88,57 149.8,56.91 arc(149.73,56.74) 149.8,56.57 150.56,55.82 arc(150.63,55.65) 150.56,55.48 150.47,55.39 arc(150.3,55.32) 150.13,55.39 149.37,56.15 arc(149.2,56.22) 149.04,56.15 148.95,56.06 arc(148.88,55.89) 148.95,55.73 149.71,54.97 arc(149.78,54.8) 149.71,54.63 149.62,54.54 arc(149.45,54.47) 149.28,54.54 148.53,55.3 arc(148.36,55.37) 148.19,55.3 148.1,55.22 arc(148.03,55.05) 148.1,54.88 148.86,54.12 arc(148.93,53.95) 148.86,53.78 148.77,53.7 arc(148.6,53.63) 148.43,53.7 147.68,54.45 arc(147.51,54.52) 147.34,54.45 147.25,54.37 arc(147.18,54.2) 147.25,54.03 148.01,53.27 arc(148.08,53.1) 148.01,52.93 147.92,52.85 arc(147.76,52.78) 147.59,52.85 146.83,53.6 arc(146.66,53.67) 146.49,53.6 146.4,53.52 arc(146.33,53.35) 146.4,53.18 147.16,52.42 arc(147.23,52.25) 147.16,52.08 147.08,52 arc(146.91,51.93) 146.74,52 145.98,52.76 arc(145.81,52.83) 145.64,52.76 145.56,52.67 arc(145.49,52.5) 145.56,52.33 146.31,51.57 arc(146.38,51.4) 146.31,51.23 146.23,51.15 arc(146.06,51.08) 145.89,51.15 145.13,51.91 arc(144.96,51.98) 144.79,51.91 144.71,51.82 arc(144.64,51.65) 144.71,51.48 145.46,50.73 arc(145.53,50.56) 145.46,50.39 145.38,50.3 arc(145.21,50.23) 145.04,50.3 144.99,50.35 arc(144.82,50.42) 144.65,50.35 144.3,50 144.3,49.35 arc(144.37,49.18) 144.54,49.11 144.56,49.11 arc(144.73,49.04) 144.8,48.87 144.8,48.75 arc(144.73,48.58) 144.56,48.51 143.84,48.51 arc(143.67,48.44) 143.6,48.27 143.6,48.15 arc(143.67,47.98) 143.84,47.91 144.56,47.91 arc(144.73,47.84) 144.8,47.67 144.8,47.55 arc(144.73,47.38) 144.56,47.31 143.84,47.31 arc(143.67,47.24) 143.6,47.07 143.6,46.95 arc(143.67,46.78) 143.84,46.71 144.56,46.71 arc(144.73,46.64) 144.8,46.47 144.8,46.35 arc(144.73,46.18) 144.56,46.11 143.84,46.11 arc(143.67,46.04) 143.6,45.87 143.6,45.75 arc(143.67,45.58) 143.84,45.51 144.56,45.51 arc(144.73,45.44) 144.8,45.27 144.8,45.15 arc(144.73,44.98) 144.56,44.91 143.84,44.91 arc(143.67,44.84) 143.6,44.67 143.6,44.55 arc(143.67,44.38) 143.84,44.31 144.56,44.31 arc(144.73,44.24) 144.8,44.07 144.8,43.95 arc(144.73,43.78) 144.56,43.71 143.84,43.71 arc(143.67,43.64) 143.6,43.47 143.6,43.35 arc(143.67,43.18) 143.84,43.11 144.56,43.11 arc(144.73,43.04) 144.8,42.87 144.8,42.75 arc(144.73,42.58) 144.56,42.51 143.84,42.51 arc(143.67,42.44) 143.6,42.27 143.6,42.15 arc(143.67,41.98) 143.84,41.91 144.56,41.91 arc(144.73,41.84) 144.8,41.67 144.8,41.55 arc(144.73,41.38) 144.56,41.31 143.84,41.31 arc(143.67,41.24) 143.6,41.07 143.6,40.95 arc(143.67,40.78) 143.84,40.71 144.56,40.71 arc(144.73,40.64) 144.8,40.47 144.8,40.35 arc(144.73,40.18) 144.56,40.11 143.84,40.11 arc(143.67,40.04) 143.6,39.87 143.6,39.75 arc(143.67,39.58) 143.84,39.51 144.56,39.51 arc(144.73,39.44) 144.8,39.27 144.8,39.15 arc(144.73,38.98) 144.56,38.91 143.84,38.91 arc(143.67,38.84) 143.6,38.67 143.6,38.55 arc(143.67,38.38) 143.84,38.31 144.56,38.31 arc(144.73,38.24) 144.8,38.07 144.8,37.95 arc(144.73,37.78) 144.56,37.71 143.84,37.71 arc(143.67,37.64) 143.6,37.47 143.6,37.35 arc(143.67,37.18) 143.84,37.11 144.56,37.11 arc(144.73,37.04) 144.8,36.87 144.8,36.75 arc(144.73,36.58) 144.56,36.51 143.84,36.51 arc(143.67,36.44) 143.6,36.27 143.6,36.15 arc(143.67,35.98) 143.84,35.91 144.56,35.91 arc(144.73,35.84) 144.8,35.67 144.8,35.55 arc(144.73,35.38) 144.56,35.31 143.84,35.31 arc(143.67,35.24) 143.6,35.07 143.6,34.95 arc(143.67,34.78) 143.84,34.71 144.56,34.71 arc(144.73,34.64) 144.8,34.47 144.8,34.35 arc(144.73,34.18) 144.56,34.11 143.84,34.11 arc(143.67,34.04) 143.6,33.87 143.6,33.75 arc(143.67,33.58) 143.84,33.51 144.56,33.51 arc(144.73,33.44) 144.8,33.27 144.8,33.15 arc(144.73,32.98) 144.56,32.91 143.84,32.91 arc(143.67,32.84) 143.6,32.67 143.6,32.55 arc(143.67,32.38) 143.84,32.31 144.56,32.31 arc(144.73,32.24) 144.8,32.07 144.8,31.95 arc(144.73,31.78) 144.56,31.71 143.84,31.71 arc(143.67,31.64) 143.6,31.47 143.6,31.35 arc(143.67,31.18) 143.84,31.11 144.56,31.11 arc(144.73,31.04) 144.8,30.87 144.8,30.75 arc(144.73,30.58) 144.56,30.51 143.84,30.51 arc(143.67,30.44) 143.6,30.27 143.6,30.15 arc(143.67,29.98) 143.84,29.91 144.56,29.91 arc(144.73,29.84) 144.8,29.67 144.8,29.55 arc(144.73,29.38) 144.56,29.31 143.84,29.31 arc(143.67,29.24) 143.6,29.07 143.6,28.95 arc(143.67,28.78) 143.84,28.71 144.56,28.71 arc(144.73,28.64) 144.8,28.47 144.8,28.35 arc(144.73,28.18) 144.56,28.11 143.84,28.11 arc(143.67,28.04) 143.6,27.87 143.6,27.75 arc(143.67,27.58) 143.84,27.51 144.56,27.51 arc(144.73,27.44) 144.8,27.27 144.8,27.15 arc(144.73,26.98) 144.56,26.91 143.84,26.91 arc(143.67,26.84) 143.6,26.67 143.6,26.55 arc(143.67,26.38) 143.84,26.31 144.56,26.31 arc(144.73,26.24) 144.8,26.07 144.8,25.95 arc(144.73,25.78) 144.56,25.71 143.84,25.71 arc(143.67,25.64) 143.6,25.47 143.6,25.35 arc(143.67,25.18) 143.84,25.11 144.56,25.11 arc(144.73,25.04) 144.8,24.87 144.8,24.75 arc(144.73,24.58) 144.56,24.51 144.54,24.51 arc(144.37,24.44) 144.3,24.27 144.3,15.5 145.1,14.7 145.1,14.07 137.03,6 113.4,6 105.84,13.56 105.84,15.9 J8.C23